# Altium PCB GiroScope.PcbDoc (part 1 of 4)
Units mm, origin at the board's own origin, x right, y up, seen from the top; angles counter-clockwise.
Board outline 185 x 124.5 mm, 2 copper layers (Top Layer, Bottom Layer); 299 components, 122 nets, 3024 pads, 61 vias.
Unrouted connection lines stored in the file: 4.
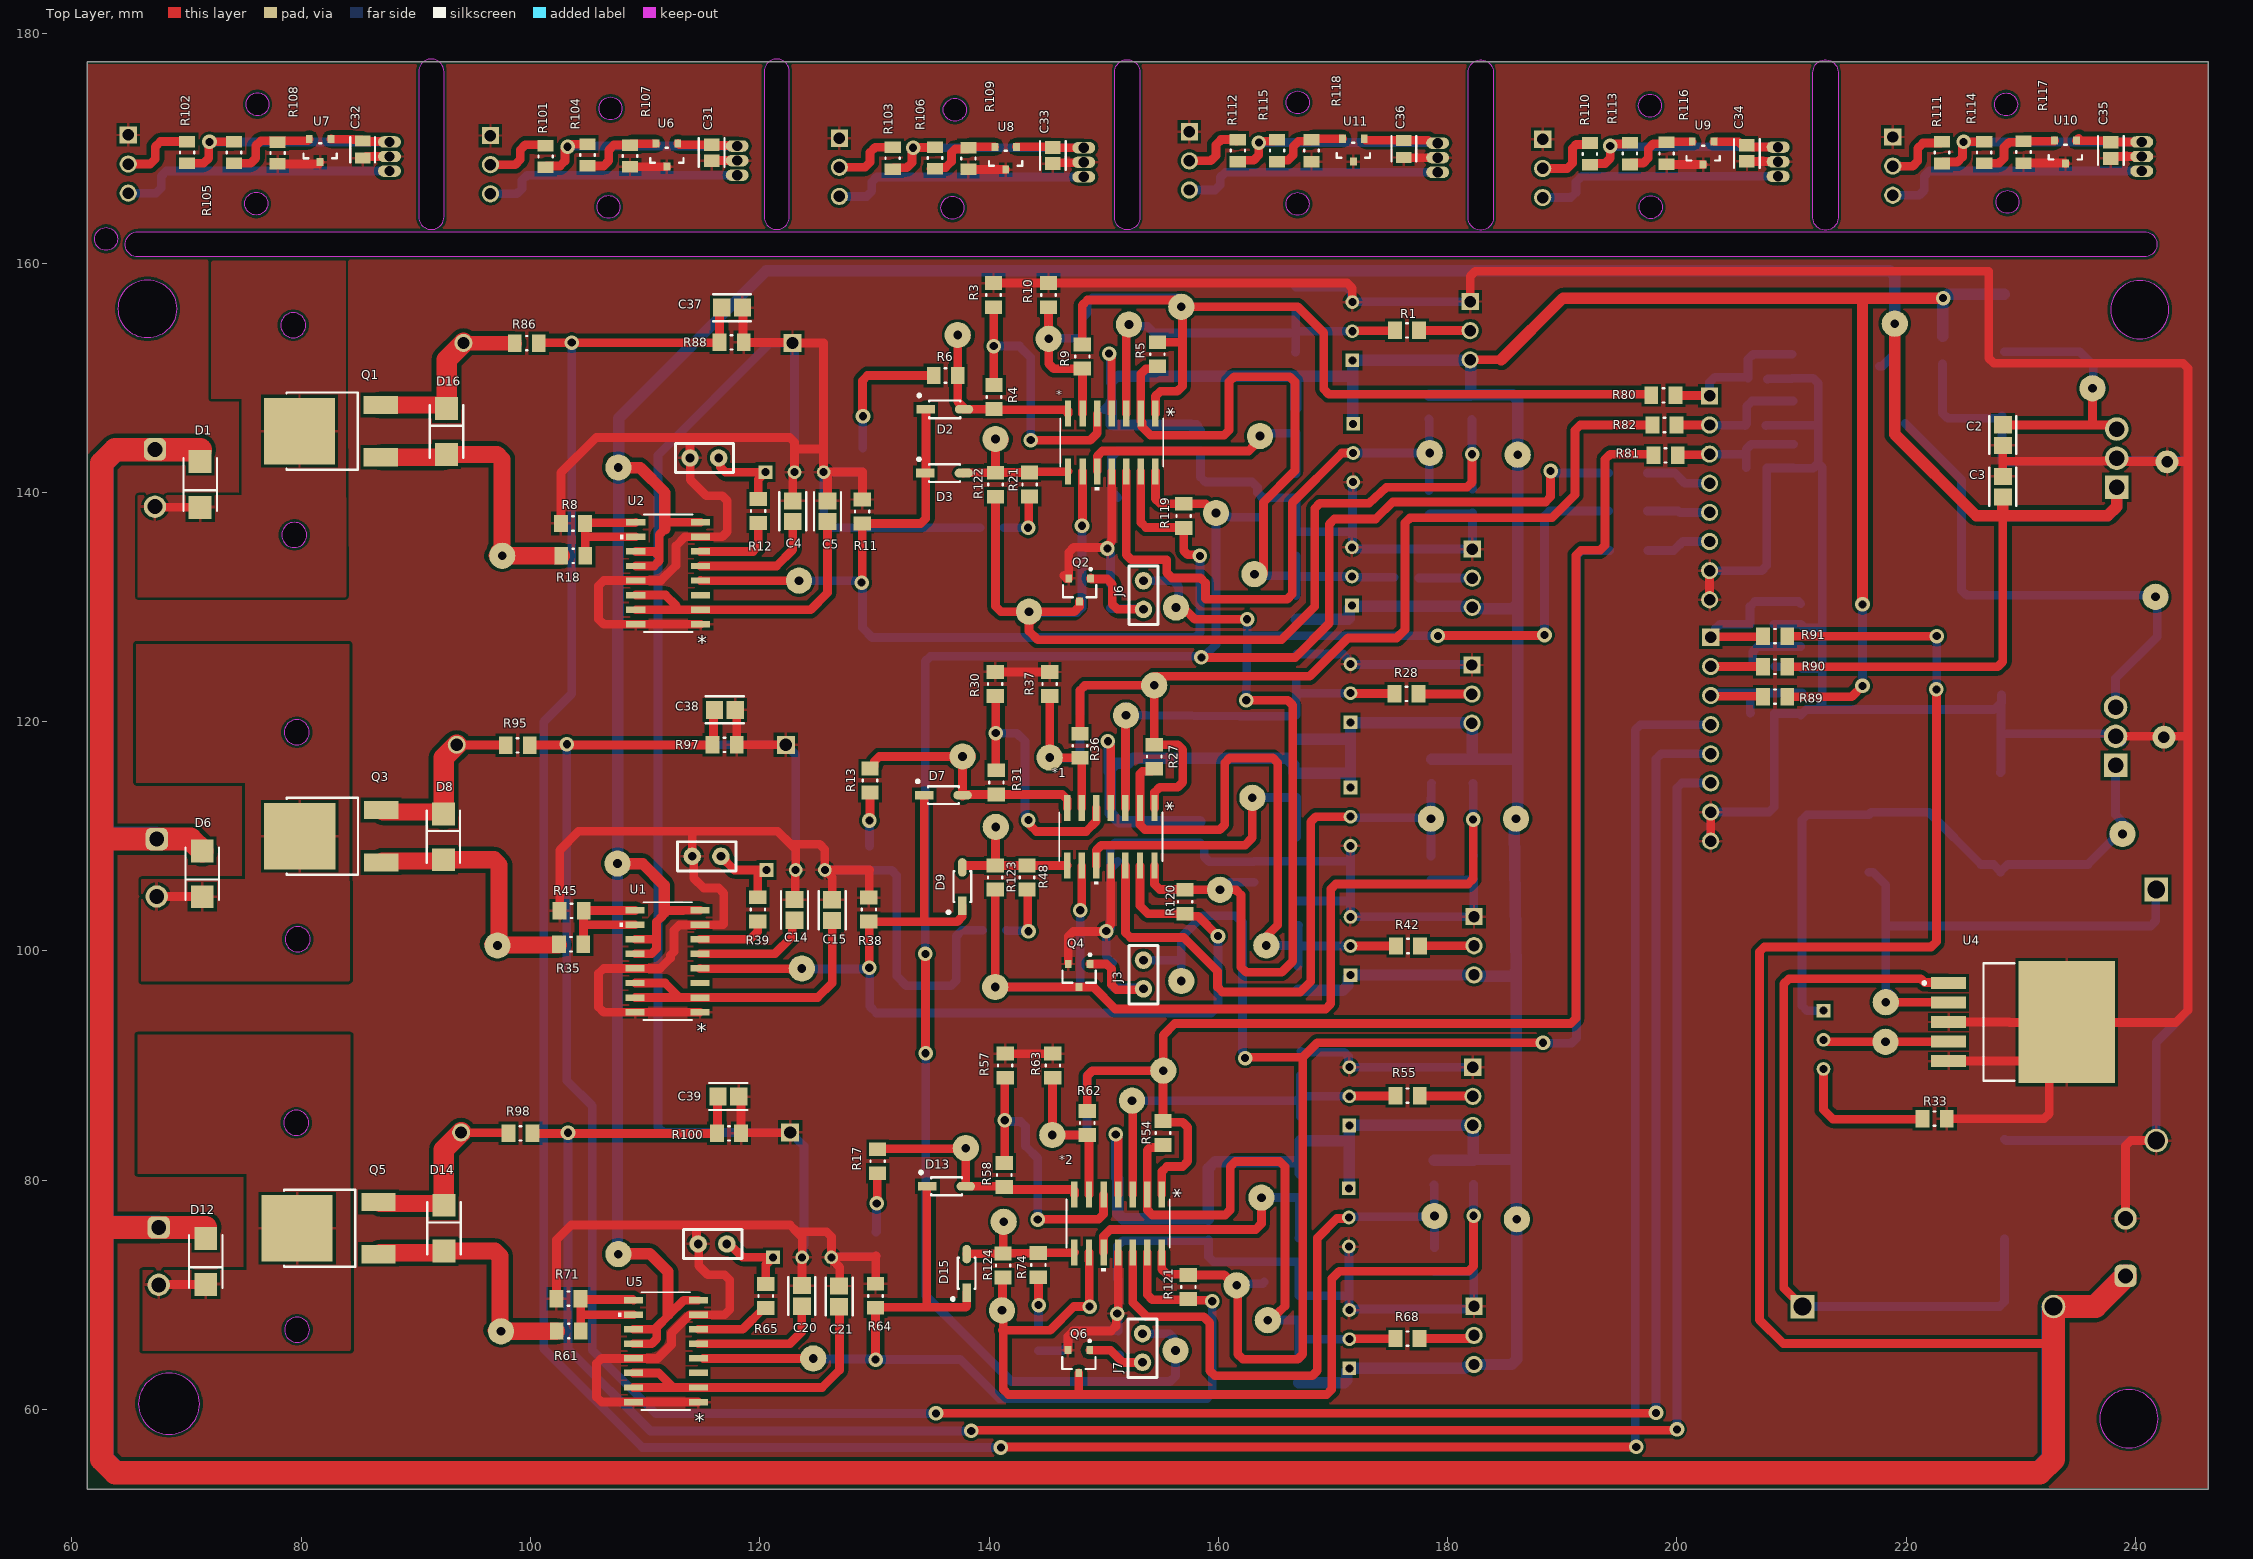
[diagram p0: Top Layer view]
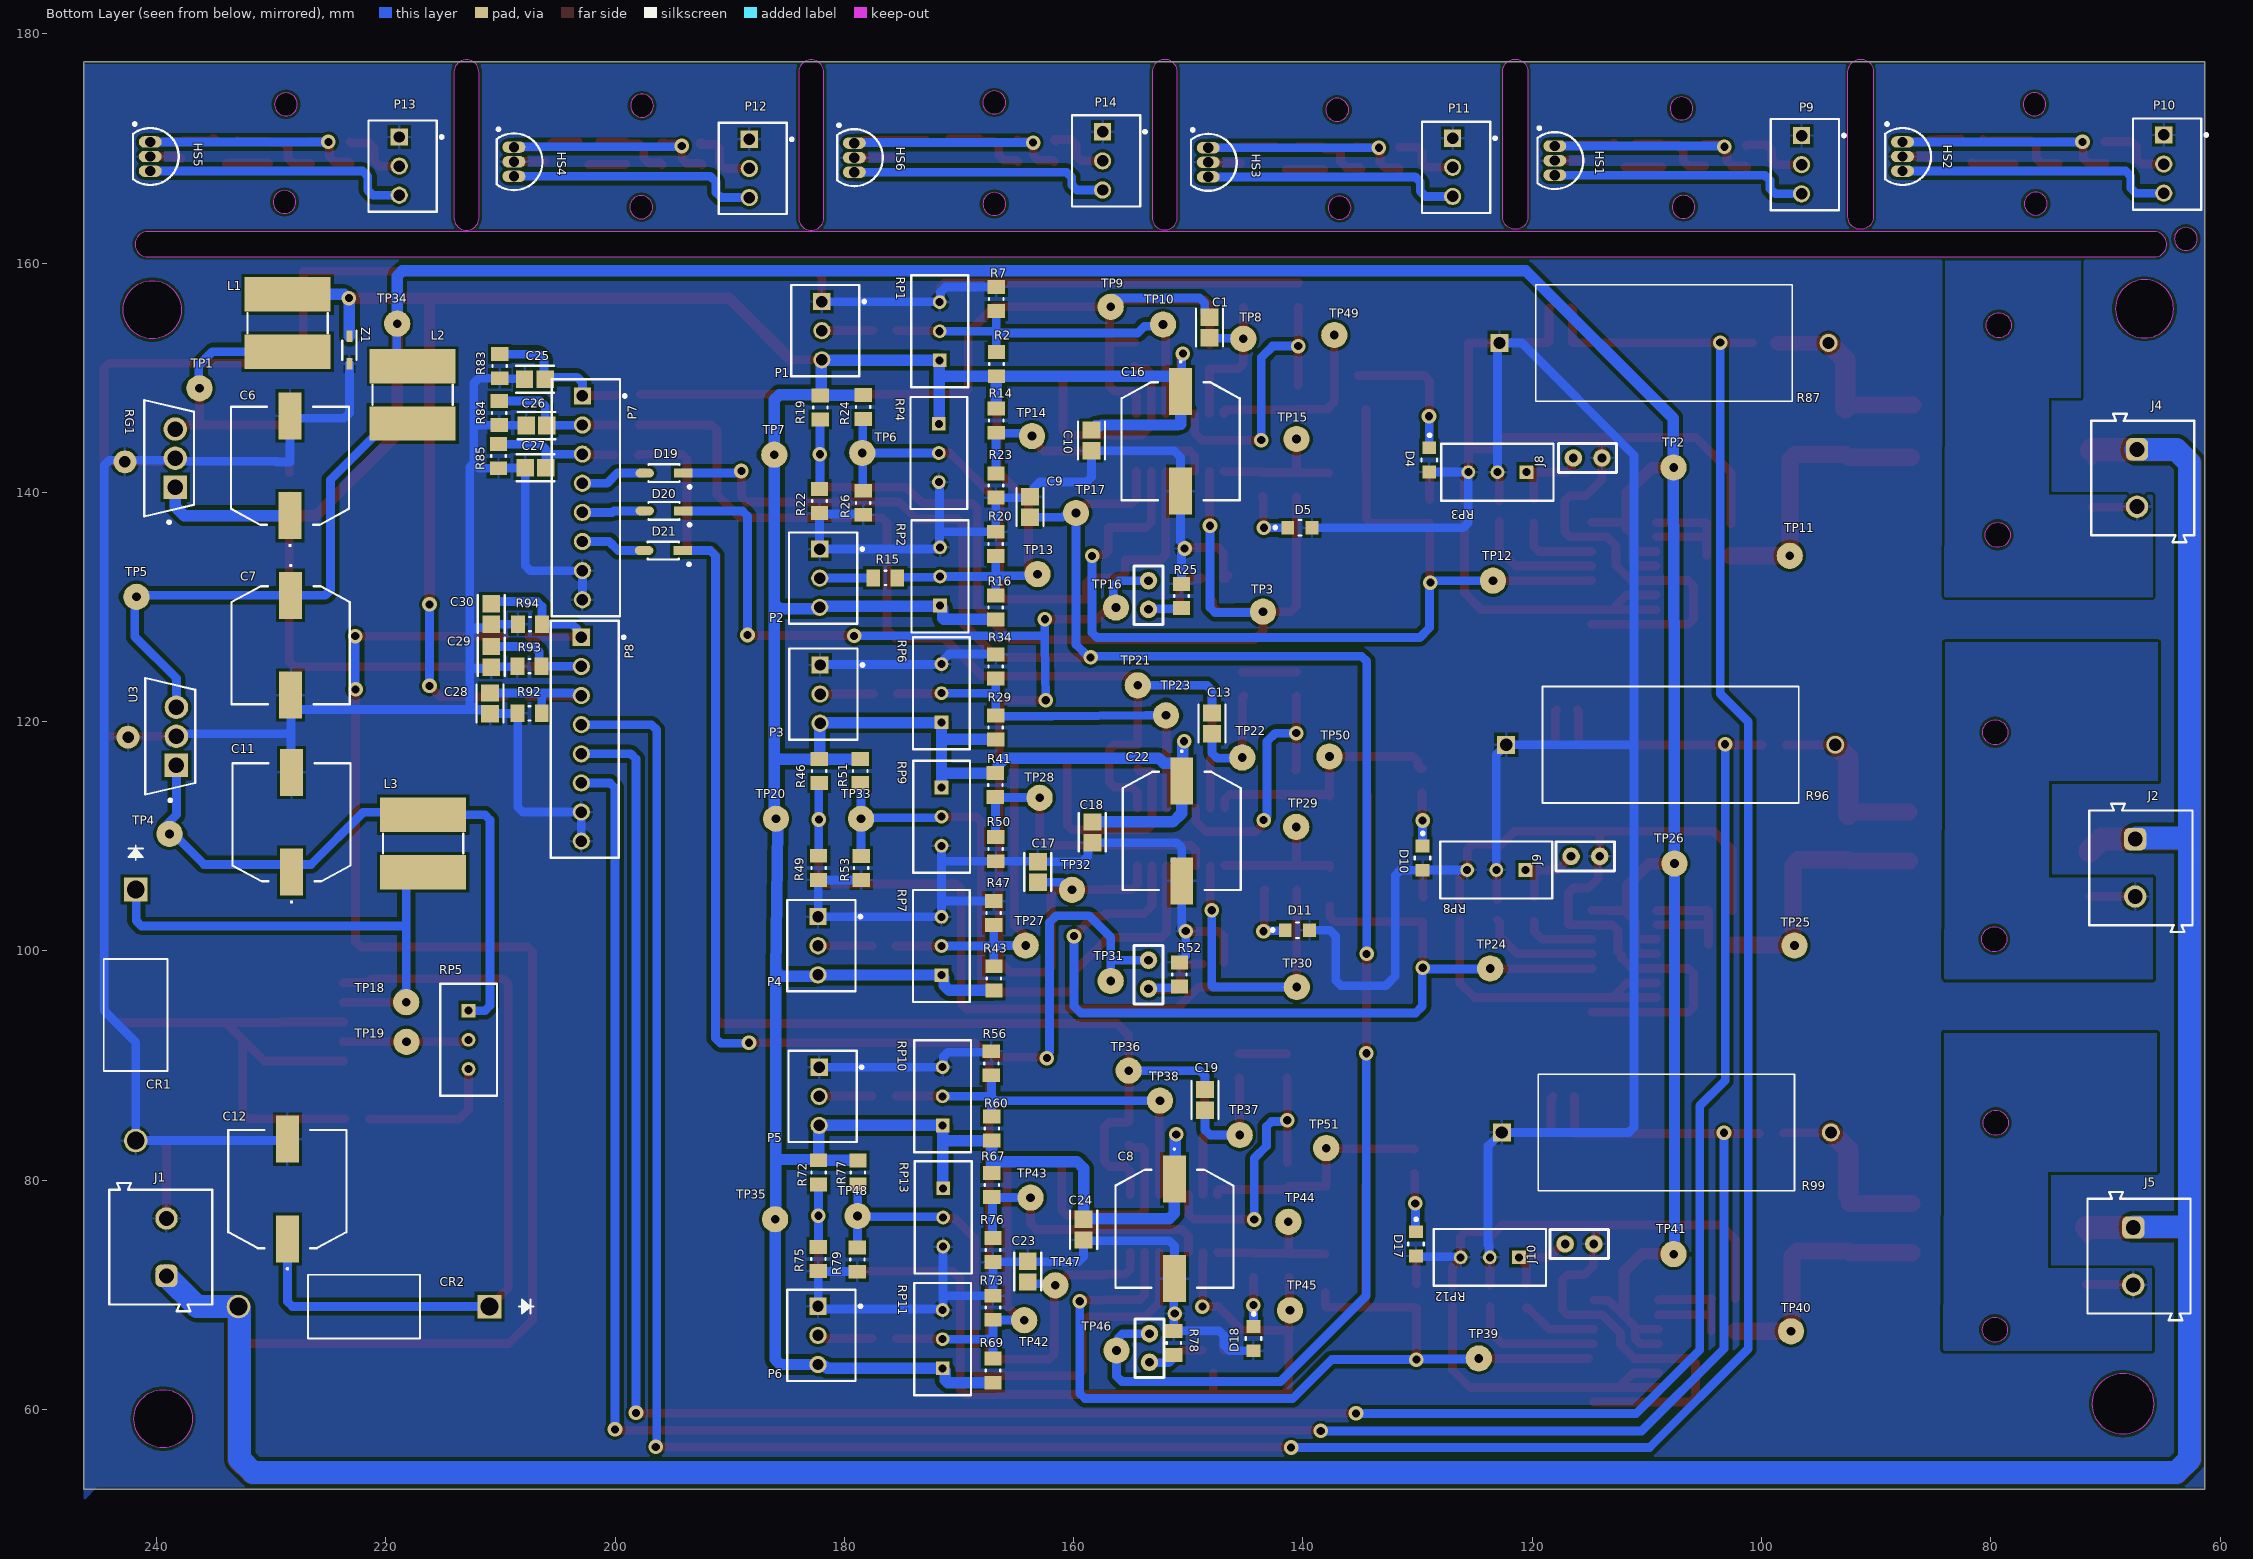
[diagram p1: Bottom Layer view, seen from below]
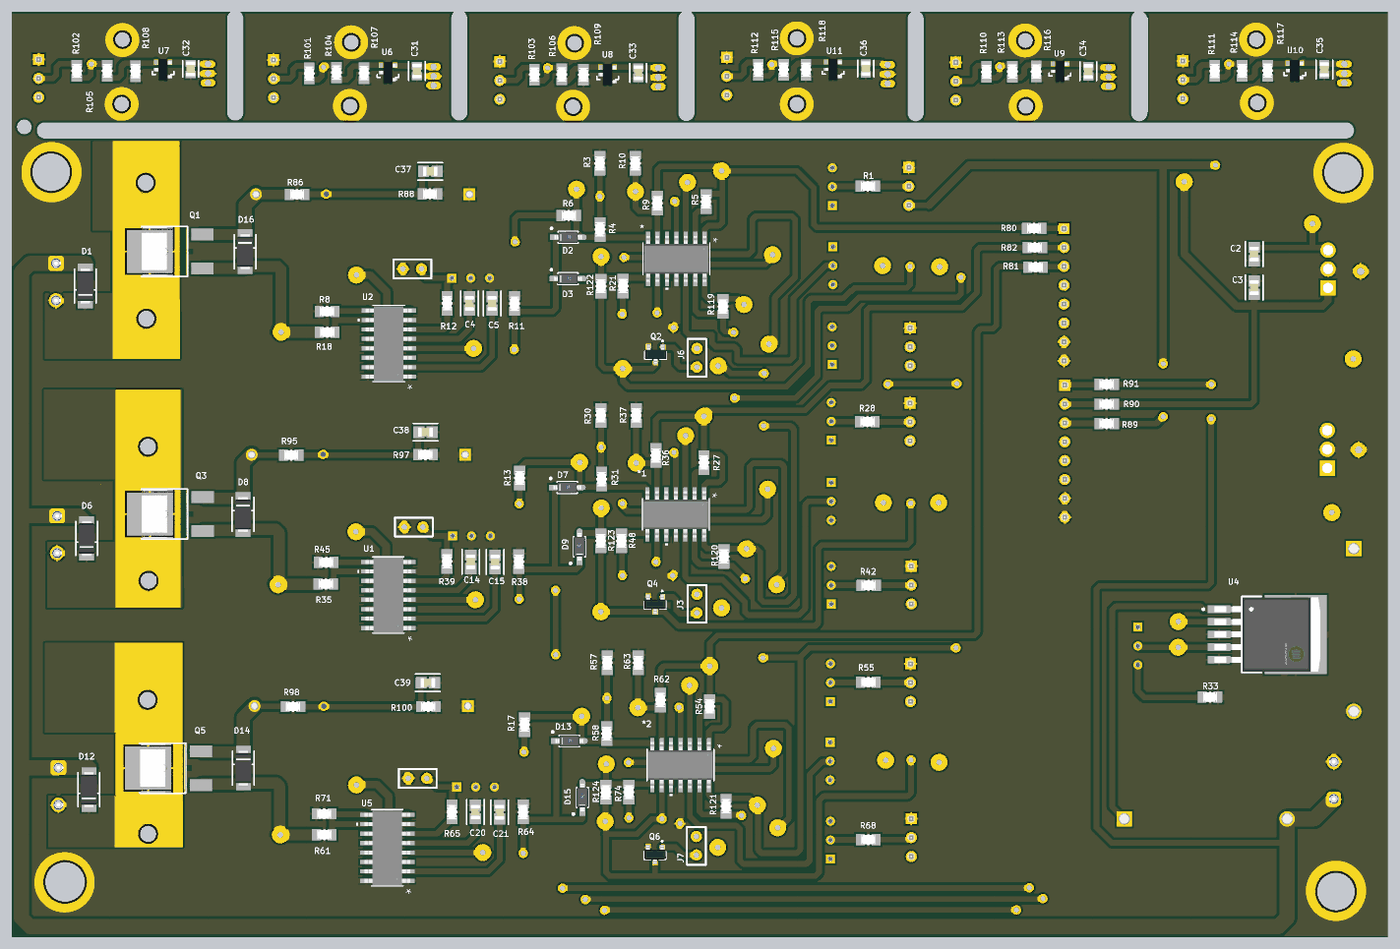
[diagram p5: 3D render of the assembled board from above, using the file's embedded part models]
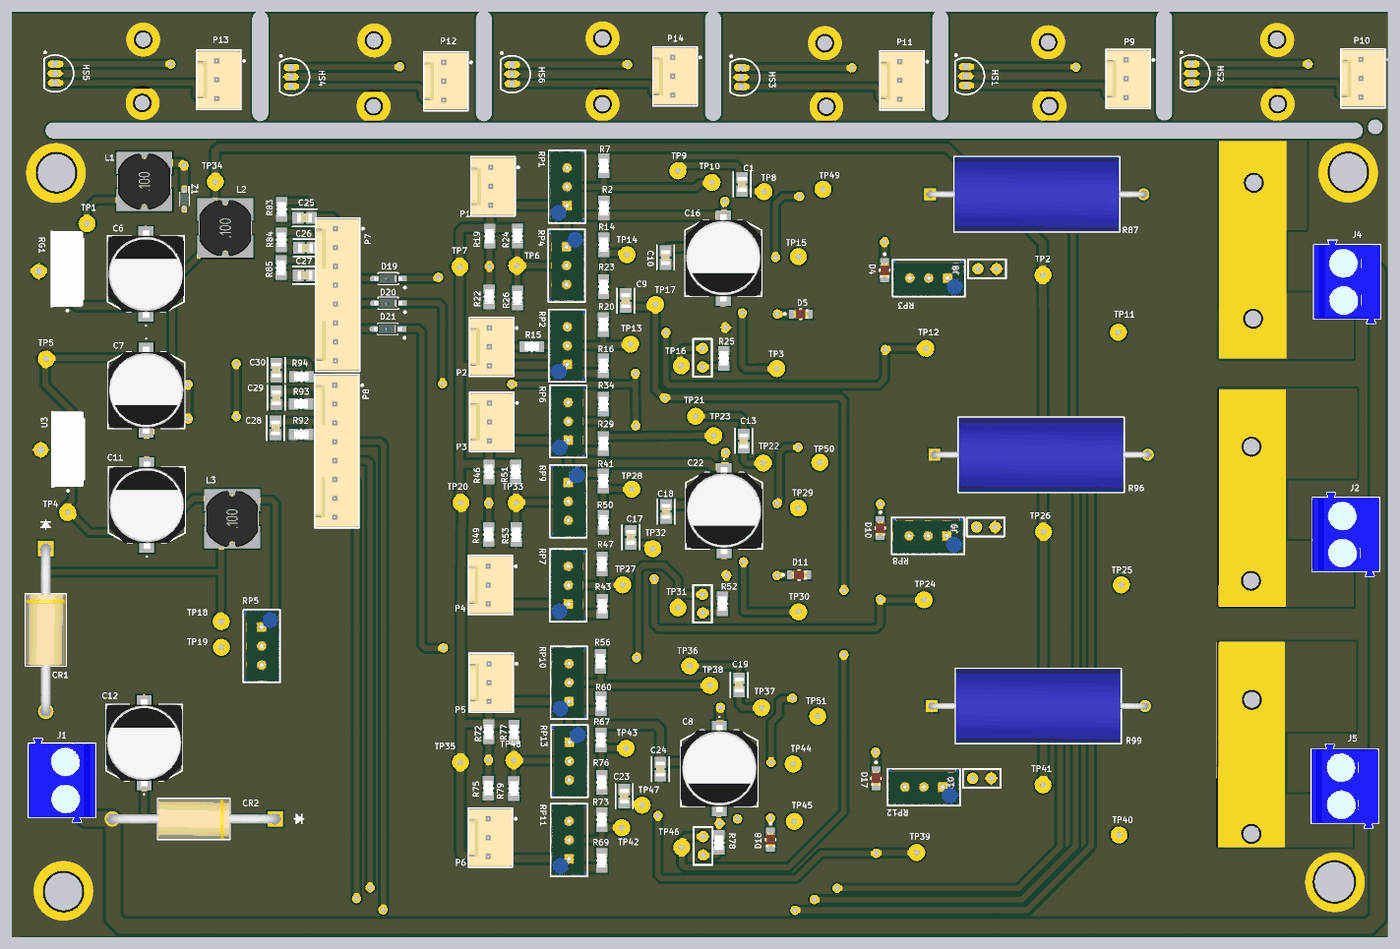
[diagram p6: 3D render of the assembled board from below, using the file's embedded part models]

## Layer stack, top to bottom
Top Solder: solder mask 0.0102, Solder Resist, Dk 3.5
Top Layer: signal copper 0.0356
Dielectric 1: dielectric 0.32, FR-4, Dk 4.8
Bottom Layer: signal copper 0.0356
Bottom Solder: solder mask 0.0102, Solder Resist, Dk 3.5

## Board outline
61.341,53.061 61.341,177.561 246.341,177.561 246.341,53.061
cut-out: 211.854,163.957 211.854,176.606 cw(c212.954,176.62) 214.054,176.62 214.054,163.957 cw(c212.954,163.957)
cut-out: 181.78,163.957 181.78,176.606 cw(c182.88,176.62) 183.98,176.62 183.98,163.957 cw(c182.88,163.957)
cut-out: 150.944,163.982 150.944,176.631 cw(c152.044,176.645) 153.144,176.645 153.144,163.983 cw(c152.044,163.982)
cut-out: 120.388,164.033 ccw(c121.488,164.033) 122.588,164.033 122.588,176.696 ccw(c121.488,176.696) 120.388,176.682
cut-out: 90.264,164.033 ccw(c91.364,164.033) 92.464,164.033 92.464,176.696 ccw(c91.364,176.696) 90.264,176.682
cut-out: 65.771,160.528 cw(c65.757,161.628) 65.757,162.728 240.757,162.728 cw(c240.757,161.628) 240.757,160.528
cut-out: 62.992,161.103 cw(c62.992,162.103) 61.992,162.103 cw(c62.992,162.103) 62.992,163.103 cw(c62.992,162.103) 63.992,162.103 cw(c62.992,162.103)
cut-out: 78.315,136.288 ccw(c79.407,136.288) 79.407,135.196 ccw(c79.407,136.288) 80.5,136.288 ccw(c79.407,136.288) 79.407,137.381 ccw(c79.407,136.288)
cut-out: 78.221,154.578 ccw(c79.314,154.578) 79.314,153.486 ccw(c79.314,154.578) 80.406,154.578 ccw(c79.314,154.578) 79.314,155.671 ccw(c79.314,154.578)
cut-out: 78.606,101.027 ccw(c79.699,101.027) 79.699,99.935 ccw(c79.699,101.027) 80.791,101.027 ccw(c79.699,101.027) 79.699,102.12 ccw(c79.699,101.027)
cut-out: 78.534,119.069 ccw(c79.626,119.069) 79.626,117.977 ccw(c79.626,119.069) 80.719,119.069 ccw(c79.626,119.069) 79.626,120.162 ccw(c79.626,119.069)
cut-out: 78.483,85.008 ccw(c79.576,85.008) 79.576,83.915 ccw(c79.576,85.008) 80.668,85.008 ccw(c79.576,85.008) 79.576,86.1 ccw(c79.576,85.008)
cut-out: 76.193,172.847 cw(c76.193,173.847) 75.193,173.847 cw(c76.193,173.847) 76.193,174.847 cw(c76.193,173.847) 77.193,173.847 cw(c76.193,173.847)
cut-out: 228.829,164.329 cw(c228.829,165.329) 227.829,165.329 cw(c228.829,165.329) 228.829,166.329 cw(c228.829,165.329) 229.829,165.329 cw(c228.829,165.329)
cut-out: 228.702,172.838 cw(c228.702,173.838) 227.702,173.838 cw(c228.702,173.838) 228.702,174.838 cw(c228.702,173.838) 229.702,173.838 cw(c228.702,173.838)
cut-out: 197.714,163.871 cw(c197.714,164.871) 196.714,164.871 cw(c197.714,164.871) 197.714,165.871 cw(c197.714,164.871) 198.714,164.871 cw(c197.714,164.871)
cut-out: 197.643,172.722 cw(c197.643,173.722) 196.643,173.722 cw(c197.643,173.722) 197.643,174.722 cw(c197.643,173.722) 198.643,173.722 cw(c197.643,173.722)
cut-out: 166.916,164.154 cw(c166.916,165.154) 165.916,165.154 cw(c166.916,165.154) 166.916,166.154 cw(c166.916,165.154) 167.916,165.154 cw(c166.916,165.154)
cut-out: 166.922,173.005 cw(c166.922,174.005) 165.922,174.005 cw(c166.922,174.005) 166.922,175.005 cw(c166.922,174.005) 167.922,174.005 cw(c166.922,174.005)
cut-out: 136.804,163.821 cw(c136.804,164.821) 135.804,164.821 cw(c136.804,164.821) 136.804,165.821 cw(c136.804,164.821) 137.804,164.821 cw(c136.804,164.821)
cut-out: 137.013,172.367 cw(c137.013,173.367) 136.013,173.367 cw(c137.013,173.367) 137.013,174.367 cw(c137.013,173.367) 138.013,173.367 cw(c137.013,173.367)
cut-out: 106.807,163.897 cw(c106.807,164.897) 105.807,164.897 cw(c106.807,164.897) 106.807,165.897 cw(c106.807,164.897) 107.807,164.897 cw(c106.807,164.897)
cut-out: 106.985,172.482 cw(c106.985,173.482) 105.985,173.482 cw(c106.985,173.482) 106.985,174.482 cw(c106.985,173.482) 107.985,173.482 cw(c106.985,173.482)
cut-out: 76.086,164.18 cw(c76.086,165.18) 75.086,165.18 cw(c76.086,165.18) 76.086,166.18 cw(c76.086,165.18) 77.086,165.18 cw(c76.086,165.18)
cut-out: 236.88,59.207 ccw(c239.42,59.207) 239.42,56.667 ccw(c239.42,59.207) 241.96,59.207 ccw(c239.42,59.207) 239.42,61.747 ccw(c239.42,59.207)
cut-out: 237.82,155.931 ccw(c240.36,155.931) 240.36,153.391 ccw(c240.36,155.931) 242.9,155.931 ccw(c240.36,155.931) 240.36,158.471 ccw(c240.36,155.931)
cut-out: 78.555,66.966 ccw(c79.648,66.966) 79.648,65.874 ccw(c79.648,66.966) 80.74,66.966 ccw(c79.648,66.966) 79.648,68.059 ccw(c79.648,66.966)
cut-out: 66.599,153.467 cw(c66.599,156.007) 64.059,156.007 cw(c66.599,156.007) 66.599,158.547 cw(c66.599,156.007) 69.139,156.007 cw(c66.599,156.007)
cut-out: 65.808,60.503 ccw(c68.478,60.503) 68.478,57.833 ccw(c68.478,60.503) 71.148,60.503 ccw(c68.478,60.503) 68.478,63.173 ccw(c68.478,60.503)

## Design rules (kind name [scope] priority, off if disabled: settings)
Clearance GIroAMp [All] p1: gap=0.254 ignorepadtopadclearanceinfootprint=FALSE except(0: Arc-Hole Track-Hole SMDPad-Hole THPad-Hole Via-Hole Fill-Hole Poly-Hole Region-Hole Text-Hole; 0.33: Arc-THPad Track-THPad; 0.381: Arc-Via Arc-Fill Arc-Poly Arc-Region Track-Via Track-Fill Track-Poly Track-Region; 0.508: Arc-Arc Arc-Track Track-Track)
Clearance [All] p2: gap=0.254 ignorepadtopadclearanceinfootprint=FALSE except(0: Arc-Hole Track-Hole SMDPad-Hole THPad-Hole Via-Hole Fill-Hole Poly-Hole Region-Hole Text-Hole; 0.33: Track-THPad)
PolygonConnect [All] p1: connectstyle=Relief reliefconductorwidth=0.254 reliefentries=4 polygonreliefangle="90 Angle" airgapwidth=0.254
RoomDefinition "levit_0.1 " [InComponentClass('levit_0.1 ')] p1: confinementstyle=ConfineIn formatcopy=TRUE lockcomponents=FALSE outline 51.46,186.792 255.372,186.792 255.372,43.231 51.46,43.231
RoutingVias [All] p1: holewidth=0.711 width=2 viastyle="Through Hole" minholewidth=0.711 minwidth=1.27 maxholewidth=0.711 maxwidth=1.27
SolderMaskExpansion [All] p1: expansion=0.102 istentingtop=FALSE
UnRoutedNet [All] p1: checkbadconnections=TRUE
Width [All] p1: maxlimit=2.286 minlimit=0.508 preferedwidth=0.762 minimp=50.000000 maximp=50.000000 favimp=50.000000
29 further rules are at their usual default settings.
